# Altium PCB 10515.0500_Display_System（6拼版）_V1.0_20200907.PcbDoc (part 10 of 13) (continued)
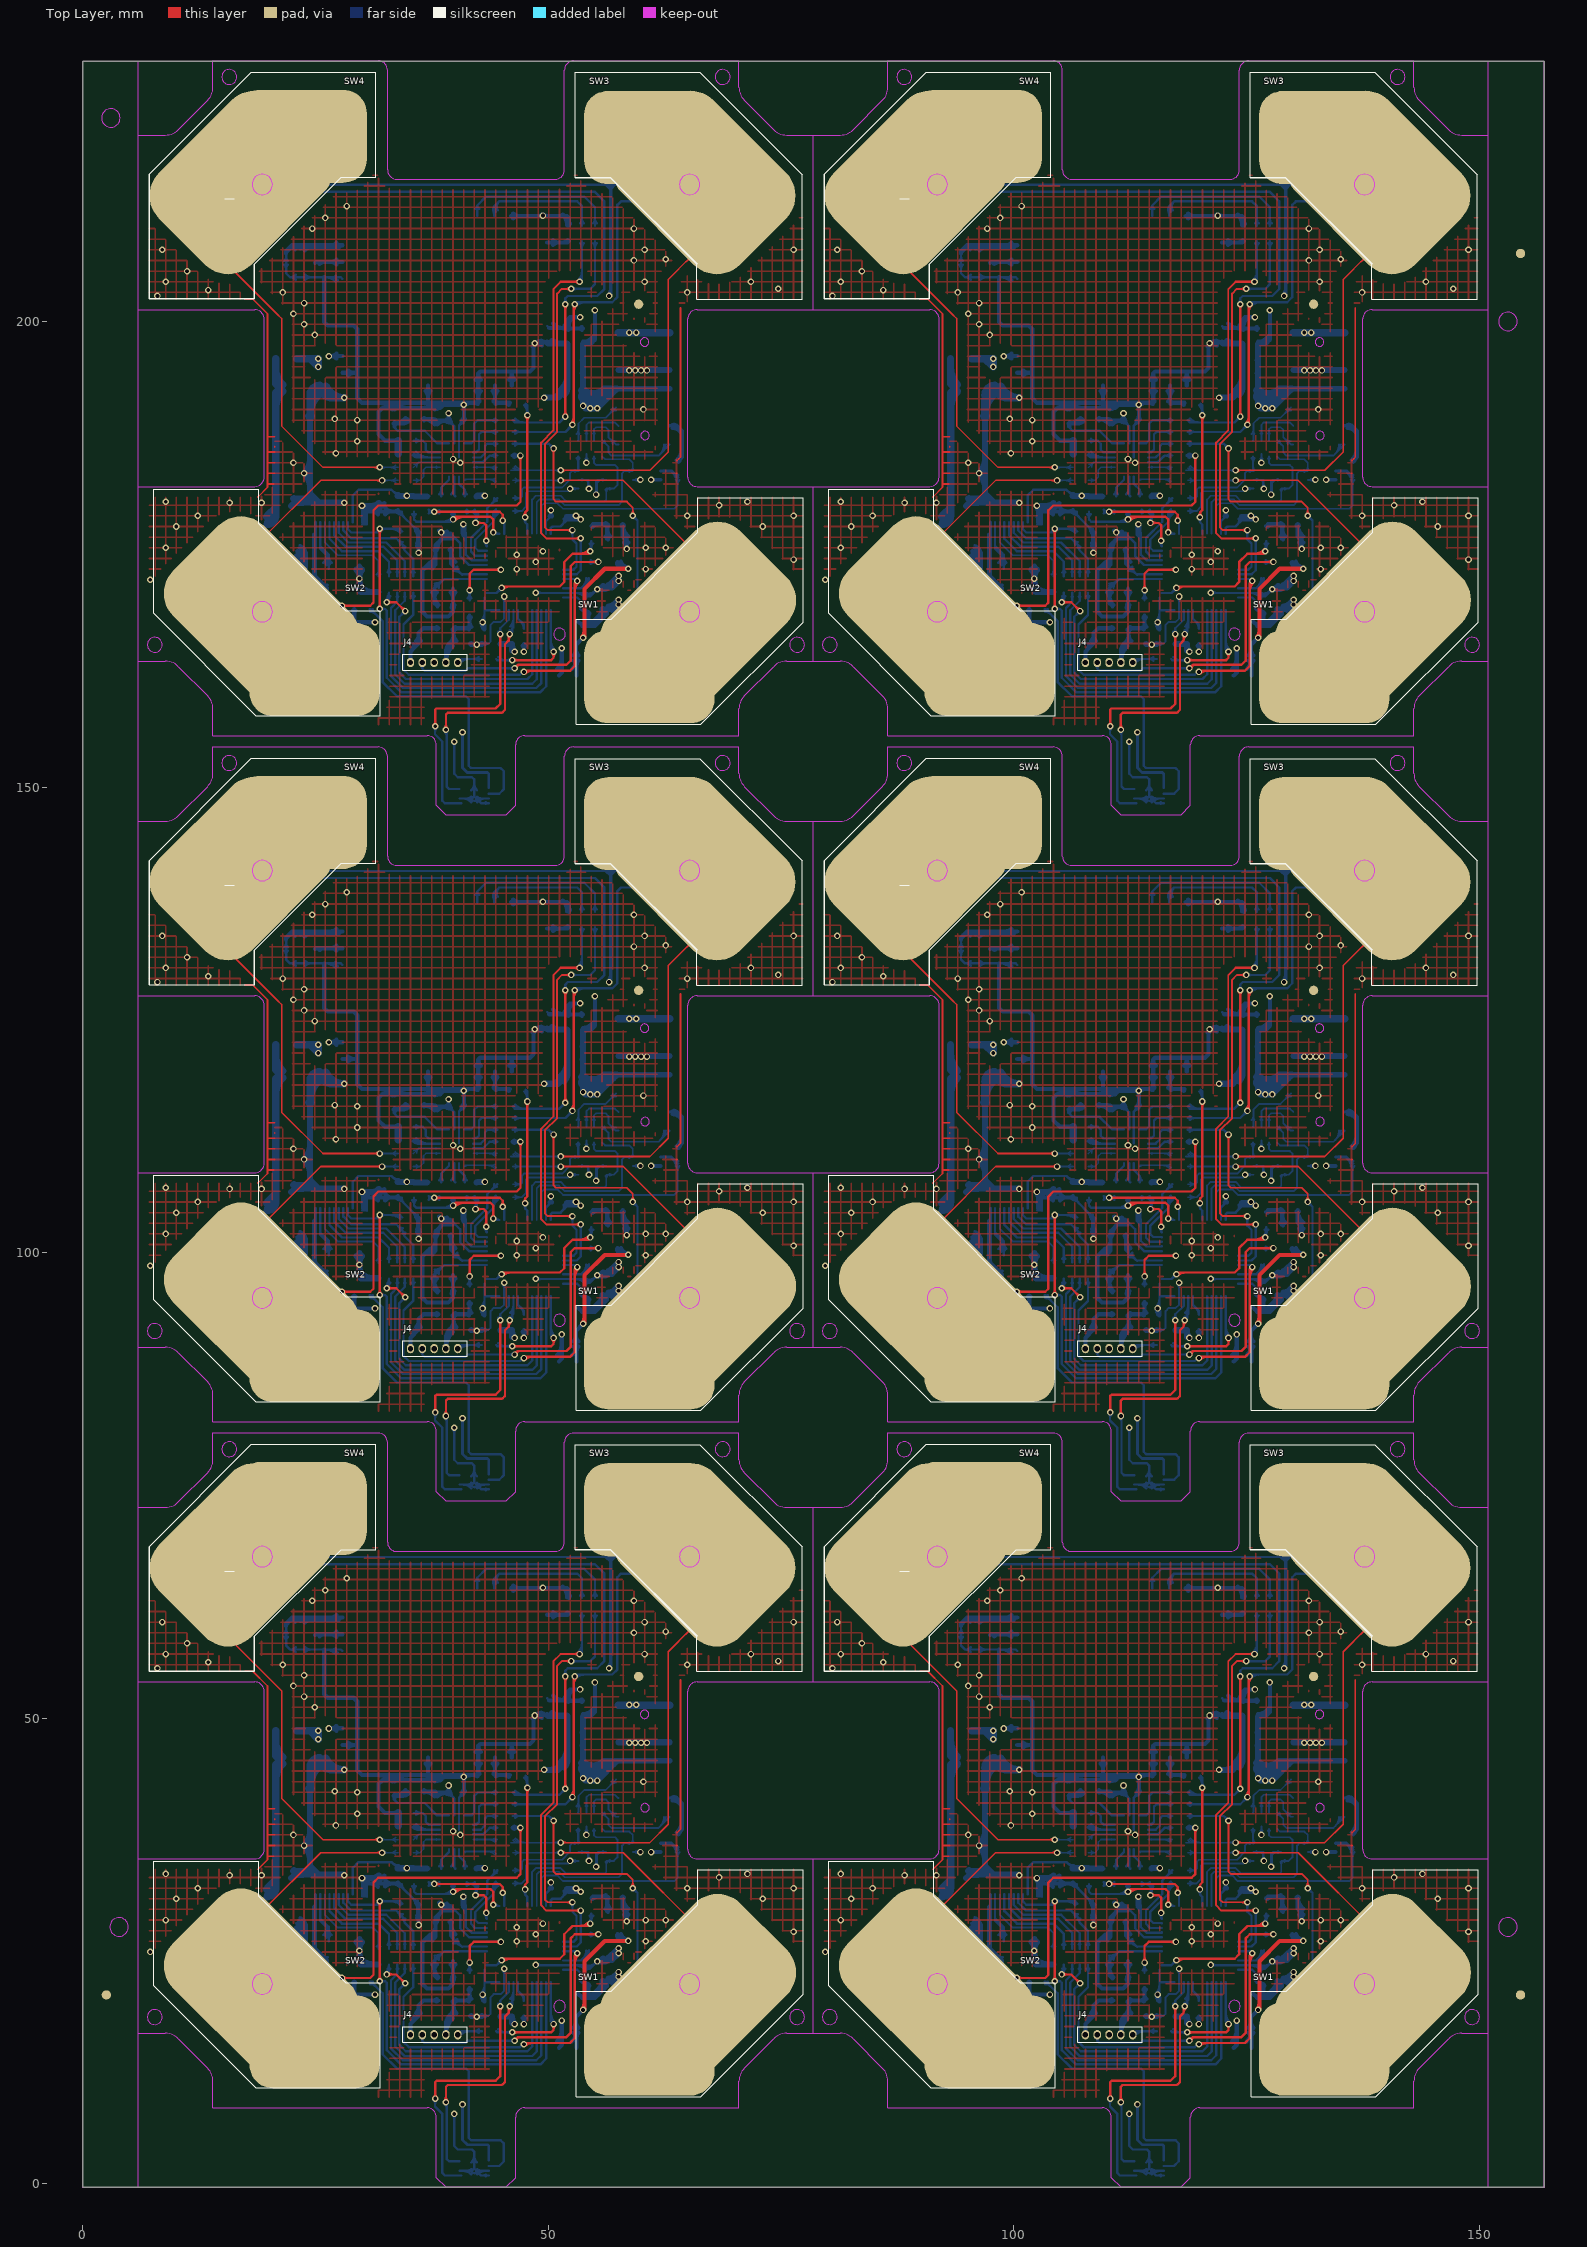
[diagram p0: Top Layer view]
## Nets (pads, with @x,y where several pads share a name; then routed paths per layer and width w, separated by ;. In a path a pad name is that pad's centre, name@x,y a point inside that pad or via, vN(x,y) a via of type N, cw(c..) or ccw(c..) an arc to the next point about the centre after c; other vN are vias at no path point) (continued)
cw(c40.567,43.325) 40.956,43.325 ; 40.136,117.592 cw(c40.136,116.594) 40.842,117.3 cw(c40.567,117.025) 40.956,117.025 ; 40.136,191.292 cw(c40.136,190.294) 40.842,191 cw(c40.567,190.725) 40.956,190.725 ; v1@40.803,43.688 38.771,43.688 ; v1@40.803,117.388 38.771,117.388 ; v1@40.803,191.088 38.771,191.088 ; 40.827,42.115 ccw(c40.518,42.425) 40.956,42.425 ccw(c41.394,42.425) 41.084,42.115 ; 40.827,115.815 ccw(c40.518,116.125) 40.956,116.125 ccw(c41.394,116.125) 41.084,115.815 ; 40.827,189.515 ccw(c40.518,189.825) 40.956,189.825 ccw(c41.394,189.825) 41.084,189.515 ; 40.956,41.987 v1@40.956,43.536 ; 40.956,115.687 v1@40.956,117.236 ; 40.956,189.387 v1@40.956,190.936 ; v1@41.019,43.6 cw(c41.725,42.894) 41.725,43.892 ; v1@41.019,117.3 cw(c41.725,116.594) 41.725,117.592 ; v1@41.019,191 cw(c41.725,190.294) 41.725,191.292 ; 41.147,19.685 ccw(c41.147,20.166) 41.487,19.826 ; 41.147,93.385 ccw(c41.147,93.866) 41.487,93.526 ; 41.147,167.085 ccw(c41.147,167.566) 41.487,167.226 ; 41.208,19.685 cw(c41.208,19.29) 41.487,19.569 ; 41.208,93.385 cw(c41.208,92.99) 41.487,93.269 ; 41.208,167.085 cw(c41.208,166.69) 41.487,166.969 ; 41.437,20.852 cw(c41.127,20.542) 41.565,20.542 cw(c42.003,20.542) 41.694,20.852 ; 41.437,94.552 cw(c41.127,94.242) 41.565,94.242 cw(c42.003,94.242) 41.694,94.552 ; 41.437,168.252 cw(c41.127,167.942) 41.565,167.942 cw(c42.003,167.942) 41.694,168.252 ; 41.565,20.256 ccw(c42.174,20.256) 41.744,19.826 ; 41.565,93.956 ccw(c42.174,93.956) 41.744,93.526 ; 41.565,167.656 ccw(c42.174,167.656) 41.744,167.226 ; 41.615,18.009 41.717,17.907 42.901,17.907 43.012,18.018 cw(c42.71,18.321) v1@42.414,18.011 ; 41.615,91.709 41.717,91.607 42.901,91.607 43.012,91.718 cw(c42.71,92.021) v1@42.414,91.711 ; 41.615,165.409 41.717,165.307 42.901,165.307 43.012,165.418 cw(c42.71,165.721) v1@42.414,165.411 ; 41.744,18.099 ccw(c42.207,18.562) v1@42.207,17.907 ; 41.744,91.799 ccw(c42.207,92.262) v1@42.207,91.607 ; 41.744,165.499 ccw(c42.207,165.962) v1@42.207,165.307 ; 42.233,45.149 cw(c41.593,44.509) 42.498,44.509 cw(c43.404,44.509) 42.763,45.149 ; 42.233,46.379 ccw(c41.593,47.019) 42.498,47.019 ccw(c43.404,47.019) 42.763,46.379 ; 42.233,118.849 cw(c41.593,118.209) 42.498,118.209 cw(c43.404,118.209) 42.763,118.849 ; 42.233,120.079 ccw(c41.593,120.719) 42.498,120.719 ccw(c43.404,120.719) 42.763,120.079 ; 42.233,192.549 cw(c41.593,191.909) 42.498,191.909 cw(c43.404,191.909) 42.763,192.549 ; 42.233,193.779 ccw(c41.593,194.419) 42.498,194.419 ccw(c43.404,194.419) 42.763,193.779 ; 42.39,43.764 ccw(c42.08,43.454) 42.08,43.892 ccw(c42.08,44.33) 42.39,44.02 ; 42.39,117.464 ccw(c42.08,117.154) 42.08,117.592 ccw(c42.08,118.03) 42.39,117.72 ; 42.39,191.164 ccw(c42.08,190.854) 42.08,191.292 ccw(c42.08,191.73) 42.39,191.42 ; v1@42.398,17.907 ccw(c42.398,18.594) 42.884,18.108 ; v1@42.398,91.607 ccw(c42.398,92.294) 42.884,91.808 ; v1@42.398,165.307 ccw(c42.398,165.994) 42.884,165.508 ; 42.498,43.892 30.008,43.892 29.5,44.4 29.5,47.114 ; 42.498,43.942 42.498,45.764 42.498,47.034 42.708,47.244 46.098,47.244 ; 42.498,44.377 ccw(c43.003,44.377) 42.646,44.02 ; 42.498,117.592 30.008,117.592 29.5,118.1 29.5,120.814 ; 42.498,117.642 42.498,119.464 42.498,120.734 42.708,120.944 46.098,120.944 ; 42.498,118.077 ccw(c43.003,118.077) 42.646,117.72 ; 42.498,191.292 30.008,191.292 29.5,191.8 29.5,194.514 ; 42.498,191.342 42.498,193.164 42.498,194.434 42.708,194.644 46.098,194.644 ; 42.498,191.777 ccw(c43.003,191.777) 42.646,191.42 ; v1@42.874,20.232 cw(c42.54,19.898) 43.012,19.898 ; v1@42.874,93.932 cw(c42.54,93.598) 43.012,93.598 ; v1@42.874,167.632 cw(c42.54,167.298) 43.012,167.298 ; v1@42.879,20.227 cw(c42.294,19.575) 43.17,19.575 ; v1@42.879,93.927 cw(c42.294,93.275) 43.17,93.275 ; v1@42.879,167.627 cw(c42.294,166.975) 43.17,166.975 ; v1@42.919,20.203 cw(c42.789,19.845) 43.17,19.845 ; v1@42.919,93.903 cw(c42.789,93.545) 43.17,93.545 ; v1@42.919,167.603 cw(c42.789,167.245) 43.17,167.245 ; 43.012,19.669 43.012,20.05 42.869,20.193 43.17,19.893 43.17,19.605 ; 43.012,93.369 43.012,93.75 42.869,93.893 43.17,93.593 43.17,93.305 ; 43.012,167.069 43.012,167.45 42.869,167.593 43.17,167.293 43.17,167.005 ; 44.033,45.149 cw(c43.393,44.509) 44.298,44.509 cw(c45.204,44.509) 44.563,45.149 ; 44.033,118.849 cw(c43.393,118.209) 44.298,118.209 cw(c45.204,118.209) 44.563,118.849 ; 44.033,192.549 cw(c43.393,191.909) 44.298,191.909 cw(c45.204,191.909) 44.563,192.549 ; 44.117,44.02 ccw(c43.678,44.459) 44.298,44.459 ; 44.117,117.72 ccw(c43.678,118.159) 44.298,118.159 ; 44.117,191.42 ccw(c43.678,191.859) 44.298,191.859 ; 44.298,45.764 44.298,43.892 45.87,43.892 ; 44.298,119.464 44.298,117.592 45.87,117.592 ; 44.298,193.164 44.298,191.292 45.87,191.292 ; 44.373,43.764 cw(c44.683,43.454) 44.683,43.892 cw(c44.683,44.33) 44.373,44.02 ; 44.373,117.464 cw(c44.683,117.154) 44.683,117.592 cw(c44.683,118.03) 44.373,117.72 ; 44.373,191.164 cw(c44.683,190.854) 44.683,191.292 cw(c44.683,191.73) 44.373,191.42 ; 45.285,43.892 cw(c45.285,43.191) 45.78,43.687 ; 45.285,117.592 cw(c45.285,116.891) 45.78,117.387 ; 45.285,191.292 cw(c45.285,190.591) 45.78,191.087 ; 45.833,46.379 ccw(c45.193,47.019) 46.098,47.019 ccw(c47.004,47.019) 46.363,46.379 ; 45.833,120.079 ccw(c45.193,120.719) 46.098,120.719 ccw(c47.004,120.719) 46.363,120.079 ; 45.833,193.779 ccw(c45.193,194.419) 46.098,194.419 ccw(c47.004,194.419) 46.363,193.779 ; 45.998,63.964 52.023,63.964 52.233,63.754 52.233,62.928 52.233,63.456 51.725,63.964 ; 45.998,137.664 52.023,137.664 52.233,137.454 52.233,136.628 52.233,137.156 51.725,137.664 ; 45.998,211.364 52.023,211.364 52.233,211.154 52.233,210.328 52.233,210.856 51.725,211.364 ; 46.098,45.764 46.098,47.244 ; 46.098,119.464 46.098,120.944 ; 46.098,193.164 46.098,194.644 ; 46.201,38.227 v1(47.026,38.227) ; 46.201,111.927 v1(47.026,111.927) ; 46.201,185.627 v1(47.026,185.627) ; 46.263,63.699 cw(c46.904,63.059) 46.904,63.964 cw(c46.904,64.869) 46.263,64.229 ; 46.263,137.399 cw(c46.904,136.759) 46.904,137.664 cw(c46.904,138.569) 46.263,137.929 ; 46.263,211.099 cw(c46.904,210.459) 46.904,211.364 cw(c46.904,212.269) 46.263,211.629 ; 46.367,38.099 cw(c46.677,37.789) 46.677,38.227 cw(c46.677,38.665) 46.367,38.355 ; 46.367,111.799 cw(c46.677,111.489) 46.677,111.927 cw(c46.677,112.365) 46.367,112.055 ; 46.367,185.499 cw(c46.677,185.189) 46.677,185.627 cw(c46.677,186.065) 46.367,185.755 ; 47.279,17.804 cw(c46.969,17.494) 47.407,17.494 cw(c47.845,17.494) 47.536,17.804 ; 47.279,91.504 cw(c46.969,91.194) 47.407,91.194 cw(c47.845,91.194) 47.536,91.504 ; 47.279,165.204 cw(c46.969,164.894) 47.407,164.894 cw(c47.845,164.894) 47.536,165.204 ; v1(47.407,17.145) 47.407,17.97 ; v1(47.407,90.845) 47.407,91.67 ; v1(47.407,164.545) 47.407,165.37 ; 48.339,49.954 cw(c48.894,49.399) 49.337,50.047 ; 48.339,123.654 cw(c48.894,123.099) 49.337,123.747 ; 48.339,197.354 cw(c48.894,196.799) 49.337,197.447 ; 48.423,49.684 cw(c49.159,49.684) 48.639,50.204 cw(c49.009,49.834) 49.009,50.357 ; 48.423,123.384 cw(c49.159,123.384) 48.639,123.904 cw(c49.009,123.534) 49.009,124.057 ; 48.423,197.084 cw(c49.159,197.084) 48.639,197.604 cw(c49.009,197.234) 49.009,197.757 ; v1@48.556,50.171 cw(c49.28,49.447) 49.569,50.429 ; v1@48.556,123.871 cw(c49.28,123.147) 49.569,124.129 ; v1@48.556,197.571 cw(c49.28,196.847) 49.569,197.829 ; v1@48.723,50.338 cw(c49.206,49.855) 49.591,50.419 ; v1@48.723,124.038 cw(c49.206,123.555) 49.591,124.119 ; v1@48.723,197.738 cw(c49.206,197.255) 49.591,197.819 ; 49.031,63.964 ccw(c49.031,64.416) v1@49.351,64.096 ; 49.031,137.664 ccw(c49.031,138.116) v1@49.351,137.796 ; 49.031,211.364 ccw(c49.031,211.816) v1@49.351,211.496 ; 49.261,50.115 ccw(c48.742,49.678) v1@48.742,50.357 ; 49.261,50.598 cw(c48.742,51.036) v1@48.742,50.357 ; 49.261,123.815 ccw(c48.742,123.378) v1@48.742,124.057 ; 49.261,124.298 cw(c48.742,124.736) v1@48.742,124.057 ; 49.261,197.515 ccw(c48.742,197.078) v1@48.742,197.757 ; 49.261,197.998 cw(c48.742,198.436) v1@48.742,197.757 ; v1@49.528,64.096 ccw(c49.847,64.416) 49.847,63.964 ; v1@49.528,137.796 ccw(c49.847,138.116) 49.847,137.664 ; v1@49.528,211.496 ccw(c49.847,211.816) 49.847,211.364 ; 49.898,50.357 v1@48.742,50.357 ; 49.898,61.114 52.07,61.114 52.233,61.277 ; 49.898,124.057 v1@48.742,124.057 ; 49.898,134.814 52.07,134.814 52.233,134.977 ; 49.898,197.757 v1@48.742,197.757 ; 49.898,208.514 52.07,208.514 52.233,208.677 ; 50.13,51.918 52.029,51.918 ; 50.13,125.618 52.029,125.618 ; 50.13,199.318 52.029,199.318 ; 50.175,31.701 ccw(c49.865,32.011) 50.303,32.011 ccw(c50.741,32.011) 50.431,31.701 ; 50.175,105.401 ccw(c49.865,105.711) 50.303,105.711 ccw(c50.741,105.711) 50.431,105.401 ; 50.175,179.101 ccw(c49.865,179.411) 50.303,179.411 ccw(c50.741,179.411) 50.431,179.101 ; 50.303,31.7 v1@50.303,32.487 ; 50.303,105.4 v1@50.303,106.187 ; 50.303,179.1 v1@50.303,179.887 ; 50.513,52.415 ccw(c51.714,53.615) 51.714,51.918 ; 50.513,60.849 cw(c51.154,60.209) 51.154,61.114 cw(c51.154,62.019) 50.513,61.379 ; 50.513,126.115 ccw(c51.714,127.315) 51.714,125.618 ; 50.513,134.549 cw(c51.154,133.909) 51.154,134.814 cw(c51.154,135.719) 50.513,135.079 ; 50.513,199.815 ccw(c51.714,201.015) 51.714,199.318 ; 50.513,208.249 cw(c51.154,207.609) 51.154,208.514 cw(c51.154,209.419) 50.513,208.779 ; 50.959,15.299 ccw(c49.723,16.535) 51.471,16.535 ; 50.959,88.999 ccw(c49.723,90.235) 51.471,90.235 ; 50.959,162.699 ccw(c49.723,163.935) 51.471,163.935 ; 51.154,14.605 51.471,14.922 v1@51.471,17.399 ; 51.154,88.305 51.471,88.622 v1@51.471,91.099 ; 51.154,162.005 51.471,162.322 v1@51.471,164.799 ; 51.493,61.114 ccw(c51.493,61.98) 52.105,61.368 ; 51.493,134.814 ccw(c51.493,135.68) 52.105,135.068 ; 51.493,208.514 ccw(c51.493,209.38) 52.105,208.768 ; 51.578,64.112 cw(c50.432,62.967) 52.052,62.967 ; 51.578,137.812 cw(c50.432,136.667) 52.052,136.667 ; 51.578,211.512 cw(c50.432,210.367) 52.052,210.367 ; 51.762,51.932 cw(c52.354,51.985) 51.934,52.405 ; 51.762,125.632 cw(c52.354,125.685) 51.934,126.105 ; 51.762,199.332 cw(c52.354,199.385) 51.934,199.805 ; 51.901,51.789 ccw(c51.591,51.48) 51.591,51.918 ccw(c51.591,52.356) 51.901,52.046 ; 51.901,125.489 ccw(c51.591,125.18) 51.591,125.618 ccw(c51.591,126.056) 51.901,125.746 ; 51.901,199.189 ccw(c51.591,198.88) 51.591,199.318 ccw(c51.591,199.756) 51.901,199.446 ; 51.939,50.357 52.029,50.267 ; 51.939,124.057 52.029,123.967 ; 51.939,197.757 52.029,197.667 ; 51.954,31.573 52.158,31.369 ; 51.954,31.7 52.004,31.75 ; 51.954,105.273 52.158,105.069 ; 51.954,105.4 52.004,105.45 ; 51.954,178.973 52.158,178.769 ; 51.954,179.1 52.004,179.15 ; 52.105,63.095 ccw(c51.795,63.405) 52.233,63.405 ccw(c52.671,63.405) 52.362,63.095 ; 52.105,136.795 ccw(c51.795,137.105) 52.233,137.105 ccw(c52.671,137.105) 52.362,136.795 ; 52.105,210.495 ccw(c51.795,210.805) 52.233,210.805 ccw(c52.671,210.805) 52.362,210.495 ; 52.12,31.445 cw(c52.857,30.708) v1@52.857,31.75 ; 52.12,31.701 ccw(c52.922,32.503) 52.922,31.369 ; 52.12,105.145 cw(c52.857,104.408) v1@52.857,105.45 ; 52.12,105.401 ccw(c52.922,106.203) 52.922,105.069 ; 52.12,178.845 cw(c52.857,178.108) v1@52.857,179.15 ; 52.12,179.101 ccw(c52.922,179.903) 52.922,178.769 ; 52.158,51.751 cw(c52.467,51.442) 52.467,51.88 cw(c52.467,52.317) 52.158,52.008 ; 52.158,125.451 cw(c52.467,125.142) 52.467,125.579 cw(c52.467,126.017) 52.158,125.708 ; 52.158,199.151 cw(c52.467,198.842) 52.467,199.279 cw(c52.467,199.717) 52.158,199.408 ; 52.21,51.972 cw(c53.604,52.097) 52.614,53.086 52.029,52.501 52.029,51.918 ; 52.21,125.672 cw(c53.604,125.797) 52.614,126.786 52.029,126.201 52.029,125.618 ; 52.21,199.372 cw(c53.604,199.497) 52.614,200.486 52.029,199.901 52.029,199.318 ; 52.233,31.75 52.004,31.75 ; 52.233,105.45 52.004,105.45 ; 52.233,179.15 52.004,179.15 ; 52.572,15.306 ccw(c51.532,16.424) 53.059,16.424 ; 52.572,89.006 ccw(c51.532,90.124) 53.059,90.124 ; 52.572,162.706 ccw(c51.532,163.824) 53.059,163.824 ; v1@52.67,31.749 ccw(c53.051,31.75) 53.051,31.369 ; v1@52.67,105.449 ccw(c53.051,105.45) 53.051,105.069 ; v1@52.67,179.149 ccw(c53.051,179.15) 53.051,178.769 ; 52.73,16.223 cw(c51.937,15.429) 53.059,15.429 ; 52.73,16.753 ccw(c52.09,17.393) 52.995,17.393 ccw(c53.901,17.393) 53.26,16.753 ; 52.73,89.923 cw(c51.937,89.129) 53.059,89.129 ; 52.73,90.453 ccw(c52.09,91.093) 52.995,91.093 ccw(c53.901,91.093) 53.26,90.453 ; 52.73,163.623 cw(c51.937,162.829) 53.059,162.829 ; 52.73,164.153 ccw(c52.09,164.793) 52.995,164.793 ccw(c53.901,164.793) 53.26,164.153 ; v1@52.885,31.808 cw(c52.158,32.19) 52.158,31.369 ; v1@52.885,105.508 cw(c52.158,105.89) 52.158,105.069 ; v1@52.885,179.208 cw(c52.158,179.59) 52.158,178.769 ; 52.903,31.369 ccw(c52.903,31.799) v1@53.283,31.599 ; 52.903,105.069 ccw(c52.903,105.499) v1@53.283,105.299 ; 52.903,178.769 ccw(c52.903,179.199) v1@53.283,178.999 ; v1@52.995,31.625 cw(c52.995,31.017) v1@53.425,31.447 ; v1@52.995,105.325 cw(c52.995,104.717) v1@53.425,105.147 ; v1@52.995,179.025 cw(c52.995,178.417) v1@53.425,178.847 ; 53.059,14.605 53.059,16.424 ; 53.059,15.736 cw(c53.747,15.736) 53.26,16.223 ; 53.059,88.305 53.059,90.124 ; 53.059,89.436 cw(c53.747,89.436) 53.26,89.923 ; 53.059,162.005 53.059,163.824 ; 53.059,163.136 cw(c53.747,163.136) 53.26,163.623 ; v1@53.12,31.75 ccw(c53.503,31.752) v1(53.503,31.369) ; v1@53.12,105.45 ccw(c53.503,105.452) v1(53.503,105.069) ; v1@53.12,179.15 ccw(c53.503,179.152) v1(53.503,178.769) ; 53.26,20.353 ccw(c54.26,21.353) 54.26,19.939 ; 53.26,94.053 ccw(c54.26,95.053) 54.26,93.639 ; 53.26,167.753 ccw(c54.26,168.753) 54.26,167.339 ; v1@53.378,31.369 ccw(c52.995,31.367) v1(52.995,31.75) ; v1@53.378,105.069 ccw(c52.995,105.067) v1(52.995,105.45) ; v1@53.378,178.769 ccw(c52.995,178.767) v1(52.995,179.15) ; v1(53.427,53.086) 52.36,53.086 52.029,52.755 52.029,51.918 ; v1(53.427,126.786) 52.36,126.786 52.029,126.455 52.029,125.618 ; v1(53.427,200.486) 52.36,200.486 52.029,200.155 52.029,199.318 ; 53.604,47.068 ccw(c53.294,47.378) 53.732,47.378 ccw(c54.17,47.378) 53.86,47.068 ; 53.604,48.463 cw(c53.294,48.153) 53.732,48.153 cw(c54.17,48.153) 53.86,48.463 ; 53.604,120.768 ccw(c53.294,121.078) 53.732,121.078 ccw(c54.17,121.078) 53.86,120.768 ; 53.604,122.163 cw(c53.294,121.853) 53.732,121.853 cw(c54.17,121.853) 53.86,122.163 ; 53.604,194.468 ccw(c53.294,194.778) 53.732,194.778 ccw(c54.17,194.778) 53.86,194.468 ; 53.604,195.863 cw(c53.294,195.553) 53.732,195.553 cw(c54.17,195.553) 53.86,195.863 ; 53.629,51.751 ccw(c53.319,51.442) 53.319,51.88 ccw(c53.319,52.317) 53.629,52.008 ; 53.629,125.451 ccw(c53.319,125.142) 53.319,125.579 ccw(c53.319,126.017) 53.629,125.708 ; 53.629,199.151 ccw(c53.319,198.842) 53.319,199.279 ccw(c53.319,199.717) 53.629,199.408 ; 53.732,46.94 53.732,48.591 ; 53.732,50.203 53.757,50.228 ; 53.732,120.64 53.732,122.291 ; 53.732,123.903 53.757,123.928 ; 53.732,194.34 53.732,195.991 ; 53.732,197.603 53.757,197.628 ; v1(53.757,18.669) 52.995,17.907 52.995,16.488 53.059,16.424 ; 53.757,50.448 ccw(c53.757,51.744) 54.674,50.828 ; 53.757,51.879 52.067,51.879 52.029,51.918 ; v1(53.757,92.369) 52.995,91.607 52.995,90.188 53.059,90.124 ; 53.757,124.148 ccw(c53.757,125.444) 54.674,124.528 ; 53.757,125.579 52.067,125.579 52.029,125.618 ; v1(53.757,166.069) 52.995,165.307 52.995,163.888 53.059,163.824 ; 53.757,197.848 ccw(c53.757,199.144) 54.674,198.228 ; 53.757,199.279 52.067,199.279 52.029,199.318 ; 53.886,50.1 cw(c54.195,49.791) 54.195,50.229 cw(c54.195,50.666) 53.886,50.357 ; 53.886,123.8 cw(c54.195,123.491) 54.195,123.928 cw(c54.195,124.366) 53.886,124.057 ; 53.886,197.5 cw(c54.195,197.191) 54.195,197.628 cw(c54.195,198.066) 53.886,197.757 ; 54.187,21.271 cw(c53.877,20.962) 54.315,20.962 cw(c54.753,20.962) 54.444,21.271 ; 54.187,94.971 cw(c53.877,94.662) 54.315,94.662 cw(c54.753,94.662) 54.444,94.971 ; 54.187,168.671 cw(c53.877,168.362) 54.315,168.362 cw(c54.753,168.362) 54.444,168.671 ; 54.315,20.397 54.315,21.438 ; 54.315,94.097 54.315,95.138 ; 54.315,167.797 54.315,168.838 ; 54.646,30.67 54.837,30.861 56.361,30.861 56.361,29.273 56.424,29.21 ; 54.646,104.37 54.837,104.561 56.361,104.561 56.361,102.973 56.424,102.91 ; 54.646,178.07 54.837,178.261 56.361,178.261 56.361,176.673 56.424,176.61 ; 54.775,30.58 cw(c55.452,29.903) 55.452,30.861 ; 54.775,104.28 cw(c55.452,103.603) 55.452,104.561 ; 54.775,177.98 cw(c55.452,177.303) 55.452,178.261 ; v1(55.027,53.848) 55.027,51.181 ; v1(55.027,127.548) 55.027,124.881 ; v1(55.027,201.248) 55.027,198.581 ; 55.374,20.286 ccw(c54.312,21.348) 55.779,21.67 ; 55.374,93.986 ccw(c54.312,95.048) 55.779,95.37 ; 55.374,167.686 ccw(c54.312,168.748) 55.779,169.07 ; 55.916,20.8 cw(c56.591,20.8) 56.305,21.411 ; 55.916,21.36 55.916,20.828 56.307,21.219 ; 55.916,94.5 cw(c56.591,94.5) 56.305,95.111 ; 55.916,95.06 55.916,94.528 56.307,94.919 ; 55.916,168.2 cw(c56.591,168.2) 56.305,168.811 ; 55.916,168.76 55.916,168.228 56.307,168.619 ; 55.955,20.867 ccw(c55.265,21.557) 56.219,21.767 ; 55.955,94.567 ccw(c55.265,95.257) 56.219,95.467 ; 55.955,168.267 ccw(c55.265,168.957) 56.219,169.167 ; 56.17,21.614 56.307,21.751 56.307,21.219 ; 56.17,95.314 56.307,95.451 56.307,94.919 ; 56.17,169.014 56.307,169.151 56.307,168.619 ; 56.179,29.519 ccw(c55.741,29.957) 56.361,29.957 ; 56.179,103.219 ccw(c55.741,103.657) 56.361,103.657 ; 56.179,176.919 ccw(c55.741,177.357) 56.361,177.357 ; 56.194,30.733 ccw(c55.885,30.423) 55.885,30.861 ccw(c55.885,31.299) 56.194,30.989 ; 56.194,104.433 ccw(c55.885,104.123) 55.885,104.561 ccw(c55.885,104.999) 56.194,104.689 ; 56.194,178.133 ccw(c55.885,177.823) 55.885,178.261 ccw(c55.885,178.699) 56.194,178.389 ; 56.233,30.733 cw(c55.923,30.423) 56.361,30.423 cw(c56.799,30.423) 56.489,30.733 ; 56.233,104.433 cw(c55.923,104.123) 56.361,104.123 cw(c56.799,104.123) 56.489,104.433 ; 56.233,178.133 cw(c55.923,177.823) 56.361,177.823 cw(c56.799,177.823) 56.489,178.133 ; 56.361,30.263 ccw(c57.414,30.263) 56.669,29.519 ; 56.361,103.963 ccw(c57.414,103.963) 56.669,103.219 ; 56.361,177.663 ccw(c57.414,177.663) 56.669,176.919 ; 57.385,26.704 ccw(c58.095,26.814) 58.095,26.096 ; 57.385,100.404 ccw(c58.095,100.514) 58.095,99.796 ; 57.385,174.104 ccw(c58.095,174.214) 58.095,173.496 ; 57.424,26.71 58.039,26.096 v1@58.62,26.096 ; 57.424,100.41 58.039,99.796 v1@58.62,99.796 ; 57.424,174.11 58.039,173.496 v1@58.62,173.496 ; 57.44,26.797 v1@58.62,26.096 ; 57.44,100.497 v1@58.62,99.796 ; 57.44,174.197 v1@58.62,173.496 ; 57.525,26.313 cw(c57.839,25.079) v1@58.49,26.173 ; 57.525,100.013 cw(c57.839,98.779) v1@58.49,99.873 ; 57.525,173.713 cw(c57.839,172.479) v1@58.49,173.573 ; 57.822,26.811 ccw(c58.506,26.985) 58.145,26.378 ; 57.822,100.511 ccw(c58.506,100.685) 58.145,100.078 ; 57.822,174.211 ccw(c58.506,174.385) 58.145,173.778 ; 57.829,26.773 ccw(c58.62,26.896) v1@58.62,26.096 ; 57.829,100.473 ccw(c58.62,100.596) v1@58.62,99.796 ; 57.829,174.173 ccw(c58.62,174.296) v1@58.62,173.496 ; 57.884,30.733 cw(c57.574,30.423) 58.012,30.423 cw(c58.45,30.423) 58.14,30.733 ; 57.884,104.433 cw(c57.574,104.123) 58.012,104.123 cw(c58.45,104.123) 58.14,104.433 ; 57.884,178.133 cw(c57.574,177.823) 58.012,177.823 cw(c58.45,177.823) 58.14,178.133 ; 58.012,29.853 ccw(c58.894,29.853) 58.305,29.196 ; 58.012,103.553 ccw(c58.894,103.553) 58.305,102.896 ; 58.012,177.253 ccw(c58.894,177.253) 58.305,176.596 ; 58.144,28.888 cw(c57.522,28.191) v1@58.456,28.191 ; 58.144,102.588 cw(c57.522,101.891) v1@58.456,101.891 ; 58.144,176.288 cw(c57.522,175.591) v1@58.456,175.591 ; 58.26,26.096 cw(c58.26,25.712) v1@58.532,25.983 ; 58.26,99.796 cw(c58.26,99.412) v1@58.532,99.683 ; 58.26,173.496 cw(c58.26,173.112) v1@58.532,173.383 ; 58.328,26.269 cw(c58.138,25.949) v1@58.499,26.041 ; 58.328,99.969 cw(c58.138,99.649) v1@58.499,99.741 ; 58.328,173.669 cw(c58.138,173.349) v1@58.499,173.441 ; v1(58.456,28.194) 58.456,29.128 58.012,29.573 58.012,30.861 ccw(c59.797,30.861) 58.606,29.532 ; v1@58.456,28.508 cw(c59.013,28.508) 58.619,28.901 ; v1(58.456,101.894) 58.456,102.828 58.012,103.273 58.012,104.561 ccw(c59.797,104.561) 58.606,103.232 ; v1@58.456,102.208 cw(c59.013,102.208) 58.619,102.601 ; v1(58.456,175.594) 58.456,176.528 58.012,176.973 58.012,178.261 ccw(c59.797,178.261) 58.606,176.932 ; v1@58.456,175.908 cw(c59.013,175.908) 58.619,176.301 ; 89.645,21.046 cw(c88.945,20.346) 89.935,20.346 cw(c90.925,20.346) 90.225,21.046 ; 89.645,94.746 cw(c88.945,94.046) 89.935,94.046 cw(c90.925,94.046) 90.225,94.746 ; 89.645,168.446 cw(c88.945,167.746) 89.935,167.746 cw(c90.925,167.746) 90.225,168.446 ; 89.935,21.463 89.935,20.32 90.57,19.685 100.984,19.685 101.683,20.383 ; 89.935,95.163 89.935,94.02 90.57,93.385 100.984,93.385 101.683,94.083 ; 89.935,168.863 89.935,167.72 90.57,167.085 100.984,167.085 101.683,167.783 ; 94.354,59.918 94.354,60.172 94.996,60.814 ; 94.354,133.618 94.354,133.872 94.996,134.514 ; 94.354,207.318 94.354,207.572 94.996,208.214 ; 94.456,60.273 cw(c95.426,59.303) 95.688,60.65 ; 94.456,133.973 cw(c95.426,133.003) 95.688,134.35 ; 94.456,207.673 cw(c95.426,206.703) 95.688,208.05 ; 95.38,60.458 ccw(c94.996,60.429) 94.996,60.814 ; 95.38,134.158 ccw(c94.996,134.129) 94.996,134.514 ; 95.38,207.858 ccw(c94.996,207.829) 94.996,208.214 ; 95.904,60.478 96.24,60.814 ; 95.904,134.178 96.24,134.514 ; 95.904,207.878 96.24,208.214 ; 96.031,60.602 cw(c96.543,60.089) 96.543,60.814 ; 96.031,134.302 cw(c96.543,133.789) 96.543,134.514 ; 96.031,208.002 cw(c96.543,207.489) 96.543,208.214 ; 96.349,60.284 cw(c97.629,59.003) 97.629,60.814 ; 96.349,133.984 cw(c97.629,132.703) 97.629,134.514 ; 96.349,207.684 cw(c97.629,206.403) 97.629,208.214 ; 97.454,58.928 97.54,59.014 100.398,59.014 ; 97.454,132.628 97.54,132.714 100.398,132.714 ; 97.454,206.328 97.54,206.414 100.398,206.414 ; 97.928,58.804 cw(c98.434,58.298) 98.434,59.014 ; 97.928,132.504 cw(c98.434,131.998) 98.434,132.714 ; 97.928,206.204 cw(c98.434,205.698) 98.434,206.414 ; 98.444,57.378 98.444,52.578 98.825,52.197 101.619,52.197 102,51.816 102,47.114 ; 98.444,131.078 98.444,126.278 98.825,125.897 101.619,125.897 102,125.516 102,120.814 ; 98.444,204.778 98.444,199.978 98.825,199.597 101.619,199.597 102,199.216 102,194.514 ; v1(98.952,48.895) 98.971,48.914 100.398,48.914 ; v1(98.952,122.595) 98.971,122.614 100.398,122.614 ; v1(98.952,196.295) 98.971,196.314 100.398,196.314 ; 99.783,48.649 ccw(c99.143,48.009) 99.143,48.914 ccw(c99.143,49.819) 99.783,49.179 ; 99.783,58.749 ccw(c99.143,58.109) 99.143,59.014 ccw(c99.143,59.919) 99.783,59.279 ; 99.783,60.549 ccw(c99.143,59.909) 99.143,60.814 ccw(c99.143,61.719) 99.783,61.079 ; 99.783,122.349 ccw(c99.143,121.709) 99.143,122.614 ccw(c99.143,123.519) 99.783,122.879 ; 99.783,132.449 ccw(c99.143,131.809) 99.143,132.714 ccw(c99.143,133.619) 99.783,132.979 ; 99.783,134.249 ccw(c99.143,133.609) 99.143,134.514 ccw(c99.143,135.419) 99.783,134.779 ; 99.783,196.049 ccw(c99.143,195.409) 99.143,196.314 ccw(c99.143,197.219) 99.783,196.579 ; 99.783,206.149 ccw(c99.143,205.509) 99.143,206.414 ccw(c99.143,207.319) 99.783,206.679 ; 99.783,207.949 ccw(c99.143,207.309) 99.143,208.214 ccw(c99.143,209.119) 99.783,208.479 ; 100.398,47.114 102,47.114 ; 100.398,60.814 96.24,60.814 ; 100.398,120.814 102,120.814 ; 100.398,134.514 96.24,134.514 ; 100.398,194.514 102,194.514 ; 100.398,208.214 96.24,208.214 ; 101.013,46.849 cw(c101.654,46.209) 101.654,47.114 cw(c101.654,48.019) 101.013,47.379 ; 101.013,120.549 cw(c101.654,119.909) 101.654,120.814 cw(c101.654,121.719) 101.013,121.079 ; 101.013,194.249 cw(c101.654,193.609) 101.654,194.514 cw(c101.654,195.419) 101.013,194.779 ; 101.555,21.589 cw(c101.245,21.279) 101.683,21.279 cw(c102.121,21.279) 101.811,21.589 ; 101.555,95.289 cw(c101.245,94.979) 101.683,94.979 cw(c102.121,94.979) 101.811,95.289 ; 101.555,168.989 cw(c101.245,168.679) 101.683,168.679 cw(c102.121,168.679) 101.811,168.989 ; 101.683,21.717 101.683,20.383 ; 101.683,95.417 101.683,94.083 ; 101.683,169.117 101.683,167.783 ; 101.858,24.095 ccw(c100.962,24.991) 102.229,24.991 ccw(c103.497,24.991) 102.601,24.095 ; 101.858,25.892 cw(c100.962,24.996) 102.229,24.996 cw(c103.497,24.996) 102.601,25.892 ; 101.858,97.795 ccw(c100.962,98.691) 102.229,98.691 ccw(c103.497,98.691) 102.601,97.795 ; 101.858,99.592 cw(c100.962,98.696) 102.229,98.696 cw(c103.497,98.696) 102.601,99.592 ; 101.858,171.495 ccw(c100.962,172.391) 102.229,172.391 ccw(c103.497,172.391) 102.601,171.495 ; 101.858,173.292 cw(c100.962,172.396) 102.229,172.396 cw(c103.497,172.396) 102.601,173.292 ; 102.229,23.851 102.229,26.391 ; 102.229,97.551 102.229,100.091 ; 102.229,171.251 102.229,173.791 ; 102.804,32.233 105.683,32.233 ; 102.804,105.933 105.683,105.933 ; 102.804,179.633 105.683,179.633 ; 103.236,32.233 ccw(c103.236,33.648) 104.237,32.647 ; 103.236,105.933 ccw(c103.236,107.348) 104.237,106.347 ; 103.236,179.633 ccw(c103.236,181.048) 104.237,180.047 ; 103.446,32.233 cw(c103.446,31.113) 104.237,31.905 ; 103.446,105.933 cw(c103.446,104.813) 104.237,105.605 ; 103.446,179.633 cw(c103.446,178.513) 104.237,179.305 ; v1(103.905,20.32) 101.746,20.32 101.683,20.383 ; v1(103.905,94.02) 101.746,94.02 101.683,94.083 ; v1(103.905,167.72) 101.746,167.72 101.683,167.783 ; 104.19,43.892 cw(c104.19,41.674) 105.759,43.242 ; 104.19,117.592 cw(c104.19,115.374) 105.759,116.942 ; 104.19,191.292 cw(c104.19,189.074) 105.759,190.642 ; 104.608,32.826 104.904,33.122 ; 104.608,106.526 104.904,106.822 ; 104.608,180.226 104.904,180.522 ; 104.904,32.233 105.683,32.233 ; 104.904,105.933 105.683,105.933 ; 104.904,179.633 105.683,179.633 ; 105.277,43.892 cw(c105.277,42.76) 106.077,43.56 ; 105.277,117.592 cw(c105.277,116.46) 106.077,117.26 ; 105.277,191.292 cw(c105.277,190.16) 106.077,190.96 ; 105.379,43.879 cw(c105.411,43.846) 105.411,43.892 ; 105.379,117.579 cw(c105.411,117.546) 105.411,117.592 ; 105.379,191.279 cw(c105.411,191.246) 105.411,191.292 ; 105.697,43.56 cw(c106.498,42.76) 106.498,43.892 ; 105.697,117.26 cw(c106.498,116.46) 106.498,117.592 ; 105.697,190.96 cw(c106.498,190.16) 106.498,191.292 ; 105.759,43.204 ccw(c105.449,42.894) 105.449,43.332 ccw(c105.449,43.77) 105.759,43.461 ; 105.759,116.904 ccw(c105.449,116.594) 105.449,117.032 ccw(c105.449,117.47) 105.759,117.161 ; 105.759,190.604 ccw(c105.449,190.294) 105.449,190.732 ccw(c105.449,191.17) 105.759,190.861 ; 106.016,41.553 cw(c106.325,41.243) 106.325,41.681 cw(c106.325,42.119) 106.016,41.81 ; 106.016,43.204 cw(c106.325,42.894) 106.325,43.332 cw(c106.325,43.77) 106.016,43.461 ; 106.016,43.242 cw(c107.584,41.674) 107.584,43.892 ; 106.016,115.253 cw(c106.325,114.943) 106.325,115.381 cw(c106.325,115.819) 106.016,115.51 ; 106.016,116.904 cw(c106.325,116.594) 106.325,117.032 cw(c106.325,117.47) 106.016,117.161 ; 106.016,116.942 cw(c107.584,115.374) 107.584,117.592 ; 106.016,188.953 cw(c106.325,188.643) 106.325,189.081 cw(c106.325,189.519) 106.016,189.21 ; 106.016,190.604 cw(c106.325,190.294) 106.325,190.732 cw(c106.325,191.17) 106.016,190.861 ; 106.016,190.642 cw(c107.584,189.074) 107.584,191.292 ; 106.254,39.7 ccw(c105.944,39.39) 105.944,39.828 ccw(c105.944,40.266) 106.254,39.956 ; 106.254,113.4 ccw(c105.944,113.09) 105.944,113.528 ccw(c105.944,113.966) 106.254,113.656 ; 106.254,187.1 ccw(c105.944,186.79) 105.944,187.228 ccw(c105.944,187.666) 106.254,187.356 ; 106.363,43.892 cw(c106.363,43.846) 106.395,43.879 ; 106.363,117.592 cw(c106.363,117.546) 106.395,117.579 ; 106.363,191.292 cw(c106.363,191.246) 106.395,191.279 ; 106.367,32.104 ccw(c106.057,31.795) 106.057,32.233 ccw(c106.057,32.671) 106.367,32.361 ; 106.367,105.804 ccw(c106.057,105.495) 106.057,105.933 ccw(c106.057,106.371) 106.367,106.061 ; 106.367,179.504 ccw(c106.057,179.195) 106.057,179.633 ccw(c106.057,180.071) 106.367,179.761 ; 106.42,39.828 104.971,39.828 104.286,40.513 104.286,42.926 104.693,43.332 105.887,43.332 110.459,43.332 110.916,43.332 111.271,43.688 ; 106.42,113.528 104.971,113.528 104.286,114.213 104.286,116.626 104.693,117.032 105.887,117.032 110.459,117.032 110.916,117.032 111.271,117.388 ; 106.42,187.228 104.971,187.228 104.286,187.913 104.286,190.326 104.693,190.732 105.887,190.732 110.459,190.732 110.916,190.732 111.271,191.088 ; 106.495,32.233 105.683,32.233 ; 106.495,105.933 105.683,105.933 ; 106.495,179.633 105.683,179.633 ; 106.898,41.681 ccw(c106.898,42.52) 107.521,41.959 ; 106.898,115.381 ccw(c106.898,116.22) 107.521,115.659 ; 106.898,189.081 ccw(c106.898,189.92) 107.521,189.359